# Altium PCB VM3300_V0.1.PcbDoc (continued)
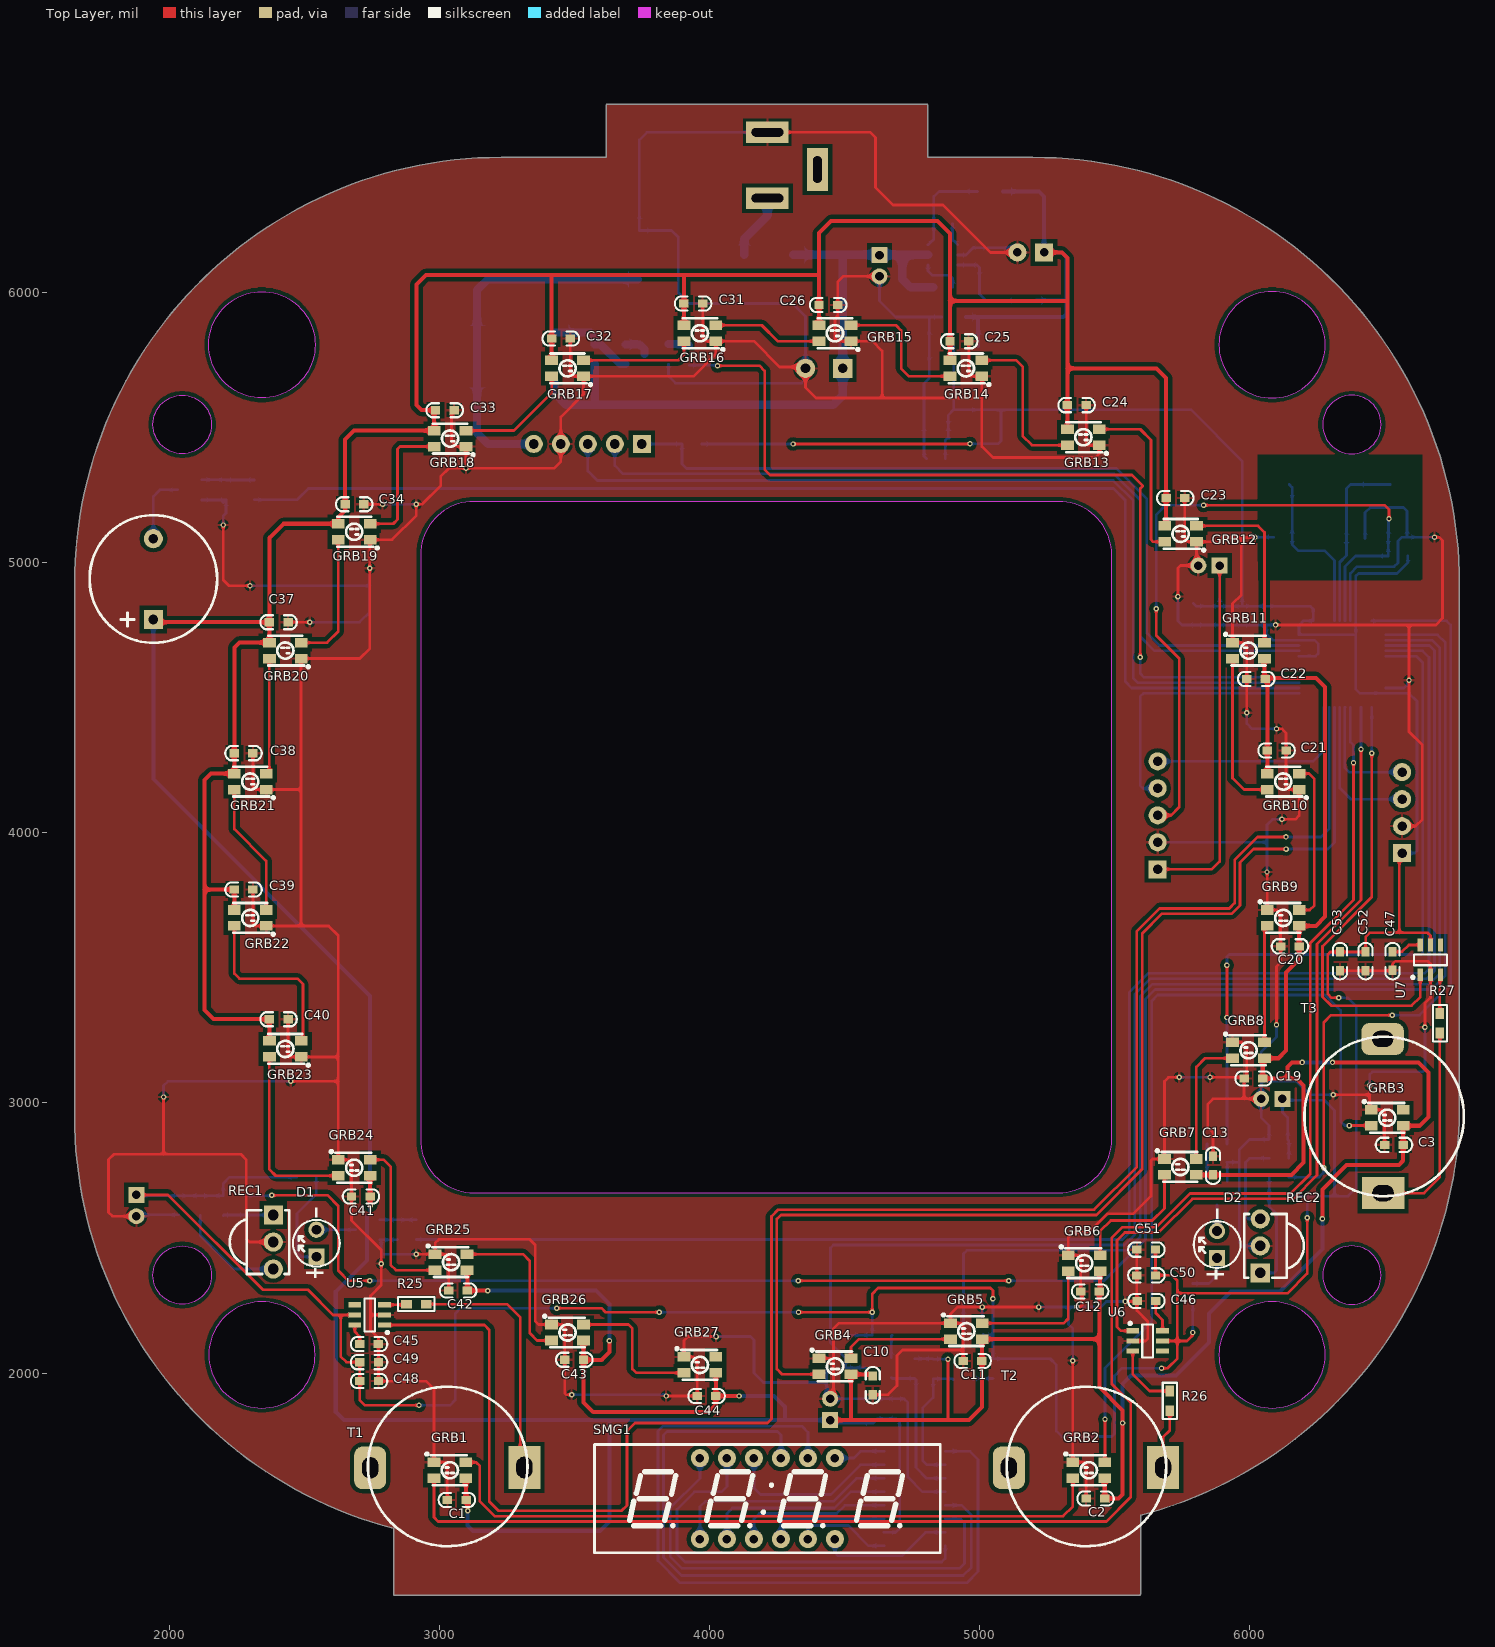
[diagram p0: Top Layer view]
## Footprints (in the part's own frame and the unit in brackets; to place one, negate y for a bottom-side part, rotate by r counter-clockwise, add the part's x,y. Pads: shape width x height; smd on the part's side, far side on the other; paste and mask are expansions set on the pad) (continued)
SWD_JOANLAB [mm] "接插件，5P"
  rect 1.7x1.7 hole 0.9: 1(10.16,0)
  round 1.7 hole 0.9: 2(7.62,0) 3(5.08,0) 4(2.54,0) 5(0,0)
  silkscreen extent -2.4,-3.45 12.6,2.49, body extent -2.5,-3.3 12.66,2.4, height 7.03
TH_Touch [mm]
  rect 4x3 hole 2 slot 1.5 at 90 deg: 1(-0.062,-13.535)
  rrect50% 4x3 hole 2 slot 1.5 at 90 deg: 2(-0.102,0.965)
  silkscreen extent -7.46,-13.82 7.54,1.17, body extent -7.53,-13.64 7.57,1.46, height 8
TK8021 [mm] "3x1.6x1.1mm(长宽高)"
  rect 0.5x1.2 smd: 1(-0.95,-1.4) 2(0,-1.4) 3(0.95,-1.4) 4(0.95,1.4) 5(0,1.4) 6(-0.95,1.4)
  silkscreen extent -1.78,-1.78 1.55,0.51, body extent -1.5,-1.4 1.5,1.4, height 1.15
TM1650 [mm]
  oval 1.745x0.56 smd: 1(-2.872,4.572) 2(-2.872,3.302) 3(-2.872,2.032) 4(-2.872,0.762) 5(-2.872,-0.508) 6(-2.872,-1.778) 7(-2.872,-3.048) 8(-2.872,-4.318) 9(2.872,-4.318) 10(2.872,-3.048) 11(2.872,-1.778) 12(2.872,-0.508) 13(2.872,0.762) 14(2.872,2.032) 15(2.872,3.302) 16(2.872,4.572)
  silkscreen extent -3.02,-4.95 1.77,5.45, body extent -3,-4.87 3,5.13, height 1.9
WS2812B-3528 [mm] "外观尺寸（L/W/H）:3.5*2.8*1.9mm"
  rect 1.2x0.9 smd: 1(-1.5,0.75) 2(-1.5,-0.75) 3(1.5,-0.75) 4(1.5,0.75)
  silkscreen extent -1.6,-1.65 2.29,1.4, body extent -1.75,-1.4 1.75,1.4, height 1.85
XH2.54-4P [mm] "接插件，4P"
  rect 1.7x1.7 hole 0.9: 1(0,0)
  round 1.7 hole 0.9: 2(2.54,0) 3(5.08,0) 4(7.62,0)
  silkscreen extent -2.49,-3.45 9.88,2.49, body extent -2.5,-3.3 10.12,2.4, height 7.03
XH2.54-5P [mm] "接插件，5P"
  rect 1.7x1.7 hole 0.9: 1(0,0)
  round 1.7 hole 0.9: 2(2.54,0) 3(5.08,0) 4(7.62,0) 5(10.16,0)
  silkscreen extent -2.4,-3.45 12.6,2.49, body extent -2.5,-3.3 12.66,2.4, height 7.03
"XTAL-49S SMD" [mm]
  rect 5x2 smd: 1(-4.75,0) 2(4.75,0)
  silkscreen extent -5.7,-2.4 5.7,2.4, body extent -6.7,-2.46 6.7,2.44, height 4

## Part data
B1: library part BEEP, "蜂鸣器", BOM名称=蜂, 学习资源=www.ooocke.
C1 C2 C3 C4 C5 C6 C7 C8 C9 C10 C11 C12 C13 C14 C15 C16 C17 C18 C19 C20 C21 C22 C23 C24 C25 C26 C27 C28 C29 C30 C31 C32 C33 C34 C35 C36 C37 C38 C39 C40 C41 C42 C43 C44 C45 C46 C47 C48 C49 C50 C51 C52 C53: library part C, "无极性贴片电容", BOM名称=无极性, 学习资源=www.ooocke.
CON1: library part P-DC, "低压电源接口", BOM名称=DCµçÔ, 学习资源=www.ooocke.
D1 D2: "红外发射管"
E1 E2 E3 E4 E5 E6 E7: library part C-CAP, "直插电解电容", BOM名称=Ö±²åµ, 学习资源=www.ooocke.
JP1 SWD1: library part "Header 5", "5P接插件", BOM名称=5P接, 学习资源=www.ooocke.
L1: library part L-CD, "贴片功率电感", BOM名称=¹¦Â, 学习资源=www.ooocke.
Q1 Q2: "N-MOS"
Q3 Q4 Q5 Q7: library part NPN
Q6: library part NCE_MOS, "NCE系类的MOS"
R1 R2 R3 R4 R5 R6 R7 R8 R9 R10 R11 R12 R13 R14 R15 R16 R17 R18 R19 R20 R21 R22 R23 R24 R25 R26 R27 R28 R29 R30 R31: library part R, "贴片电阻", BOM名称=ÌùÆ, 学习资源=www.ooocke.
REC1 REC2: "红外接收管"
SMG1: "0.28寸4位共阳数码管"
T1 T2 T3: "触摸弹簧，用于触摸感应"
U1: "STM32F030采用ARM Cortex内核，运算速度高达48 MHz。STM32F030是STM32系列中价格最低的产品，具有全套外设，例如高速12位ADC、先进且灵活的定时器、日历RTC和通"
U2: "DC-DC电源芯片  24-40V->5V"
U3: "转3.3V电压"
U4: "TM1650是一种带键盘扫描接口的LED（发光二极管显示器）驱动控制专用IC,内部集成有MCU / 数字接口、数据锁存器、LE"
U5 U6 U7: library part TTP2233, "单通道自校正触摸感应芯片"
UART: library part "Header 4", "4P接插件", BOM名称=4P接, 学习资源=www.ooocke.
VD1 VD2: "肖特基二极管"
Y1: library part XTAL-2, "2脚晶振", BOM名称=2脚, 学习资源=www.ooocke.

## Via types
v1: diameter 20, hole 10, Top Layer to Bottom Layer, tented both sides, 76 vias

## Nets (pads, with @x,y where several pads share a name; then routed paths per layer and width w, separated by ;. In a path a pad name is that pad's centre, name@x,y a point inside that pad or via, vN(x,y) a via of type N, cw(c..) or ccw(c..) an arc to the next point about the centre after c; other vN are vias at no path point)
3.3V: C5.2 C6.2 C7.2 C8.2 C16.2 C17.2 C35.1 C36.1 C48.2 C49.2 C50.2 C51.2 C52.2 C53.2 E2.1 E5.1 E6.1 R1.2 R5.2 R6.2 R7.2 R9.2 R11.2 R12.2 R13.1 R14.1 R17.2 R18.2 R30.2 SWD1.1 U1.1 U1.9 U1.24 U1.48 U3.2 U5.5 U6.5 U7.5 UART.1 | length 17849.2
  Top Layer w10: E5.1 1995.63,2659.37 2346.68,2308.32 2513.6,2308.32 2606.92,2215 2635,2215 ; U5.5 2635,2215 ; v1(2925,1880.38) 2724.62,1880.38 2706,1899 C48.2 C49.2 2656.5,2040 2635,2061.5 2635,2215 ; v1(3435,2240) 3600,2240 3615,2225 v1(3815,2225) ; v1(4310,5440) 4964.51,5440 v1(4965,5440.49) ; v1(4330,2225) v1(4603.5,2225) 4603.5,2293.5 4625,2315 5040.13,2315 5050,2305.13 v1(5050,2275) ; C51.2 C50.2 5713,2361.69 5733,2341.69 5733,2295 ; SWD1.1 5860,3865 5889.37,3894.37 E2.1 ; v1(5674.12,2017.73) 5697.27,2017.73 5733,2053.46 5733,2118.7 ; U6.5 5733,2118.7 ; v1(5790,2150) 5790,2140 5768.7,2118.7 5733,2118.7 ; v1(6213.67,2575) 6213.67,2368.1 6140.57,2295 5733,2295 ; v1(6330.88,3390) 6302.6,3390 6290,3402.6 6290,3550 6299,3559 C53.2 C52.2 6430,3615 6445,3630 6555,3630 ; UART.1 6555,3915 6555,3630 ; U7.5 6670,3620 6660,3630 6555,3630 ; 5733,2118.7 5733,2295
  Bottom Layer w10: E5.1 1881.5,2656.5 R17.2 R11.2 2200,2701.14 2223.86,2725 R13.1 ; v1(2925,1880.38) 3040.06,1880.38 3059.19,1899.5 3059.19,2220 3079.19,2240 v1(3435,2240) ; v1(3815,2225) v1(4330,2225) ; R30.2 v1(4310,5440) ; R9.2 R6.2 v1(4603.5,2225) ; C17.2 4874,5454 C16.2 ; C16.2@4888.5,5461.5 C16.2 ; U3.2@4905,5803.11 U3.2@4905,5566.89 ; v1(4965,5440.49) 5068.99,5440.49 5080,5451.5 5080,5566.89 ; R7.2 5016.41,2140 5050,2140 ; v1(5050,2275) 5050,2140 ; v1(5674.12,2017.73) 5528.03,2017.73 5500,1989.7 5500,1775 5500.3,1775 5490.3,1765 5305.3,1765 5285,1785.3 5285,2030 5262.27,2052.73 R5.2 5050,2140 ; v1(5790,2150) R14.1 ; C8.2@5792,4850 C8.2 C7.2 ; E2.1 5889.37,4840.37 C7.2 ; R12.2 6213.67,2655 ; R18.2 6145.79,2860.64 C36.1 6141.43,2945.9 6121.88,2965.45 E6.1 6126.88,3010 6277.31,3010 6315,2972.31 6315,2655 ; v1(6213.67,2575) 6213.67,2655 ; v1(6330.88,3390) 6363.32,3390 6395,3358.32 6395,2685 6365,2655 6315,2655 ; UART.1 6611.75,3925 6620,3933.25 6620,4487.37 6590.64,4516.73 U1.24 6409.69,4516.73 6393.21,4533.21 6393.21,4730 ; R1.2 6586.5,5001.5 6545.52,4960.52 6403.52,4960.52 6393.21,4950.2 U1.9 6393.21,4730 ; C16.2 4885,5546.89 U3.2@4905,5566.89 ; U3.2@4905,5566.89 5080,5566.89 ; 5080,5566.89 5782.61,5566.89 5973,5376.5 C6.2 ; C7.2 C6.2 ; C6.2 C5.2 6226,4839 6235.73,4829.27 U1.1 6200.35,4785.35 6183.64,4768.64 U1.48 6389.94,4733.27 6393.21,4730 ; 6213.67,2655 6315,2655
5V: B1.1 C1.2 C2.2 C3.2 C10.2 C11.2 C12.2 C13.2 C15.2 C19.2 C20.2 C21.2 C22.2 C23.2 C24.2 C25.2 C26.2 C29.2 C30.2 C31.2 C32.2 C33.2 C34.2 C37.2 C38.2 C39.2 C40.2 C41.2 C42.2 C43.2 C44.2 E3.1 E4.1 GRB1.1 GRB2.1 GRB3.1 GRB4.1 GRB5.1 GRB6.1 GRB7.1 GRB8.1 GRB9.1 GRB10.1 GRB11.1 GRB12.1 GRB13.1 GRB14.1 GRB15.1 GRB16.1 GRB17.1 GRB18.1 GRB19.1 GRB20.1 GRB21.1 GRB22.1 GRB23.1 GRB24.1 GRB25.1 GRB26.1 GRB27.1 L1.2 R2.2 R8.2 R10.2 U3.3 U4.10 | length 29099.9
  Top Layer w10: C10.2@4598.9,1995.1 C10.2 ; 4880,1825.63 4883.5,1829.13 v1(4883.5,2051.5) v1@4885,2050
  Top Layer w15: B1.1 1951.29,4780 C37.2 ; GRB22.1 2241,3714.59 C39.2 2130,3790 ; GRB23.1 2371,3229.59 C40.2 2164.53,3310 2130,3344.53 2130,3790 ; v1(2744,2620) C41.2 2744,2730.41 GRB24.1 ; GRB1.1 3099,1609.66 C1.2 3105,1524 v1(3105,1490) ; GRB25.1 3104,2379.56 C42.2 v1(3180,2305) ; GRB17.1 3416,5749.59 C32.2 3416,6061 3420,6065 ; GRB26.1@3534.53,2120 GRB26.1 3534,2120.41 C43.2 ; v1(3630,2120) 3630,2077.5 3601.5,2049 C43.2 ; GRB16.1 3906,5879.59 C31.2 3906,6064 3905,6065 ; GRB27.1 4024,2000.41 C44.2 ; v1(4110,1915) C44.2 ; 4405,6065 3905,6065 ; GRB15.1 4406,5879.59 C26.2 4406,6221 4450,6265 4845,6265 4890.94,6219.06 4890.94,5970 ; E4.1 4525,1825.63 ; C10.2@4598.9,1995.1 GRB4.1 4524.37,1826.26 4525,1825.63 ; GRB14.1 4890.94,5970 ; E3.1 5305.79,6149.21 5325.94,6129.06 5325.94,5975 ; GRB13.1 5325.94,5720 ; GRB6.1 5446.95,2305.13 C12.2 5444,2125.44 ; GRB2.1 5464.06,1535.06 C2.2 5515,1535 5530,1550 v1(5530,1815) 5530,1862.01 5444,1948.01 5444,2125.44 ; GRB12.1 5691,5141.77 C23.2 5691,5684 5655,5720 5325.94,5720 ; GRB7.1 C13.2 6155.1,2733.33 6200.49,2778.72 6200.49,3064.5 6175,3090 6140,3090 ; GRB11.1 C22.2@6055.4,4573.6 ; GRB10.1 6065.94,4304.48 C21.2 6066.47,4562.53 C22.2 C22.2@6055.4,4573.6 ; v1(6195.57,3150) 6157.56,3150 6140,3132.44 6140,3090 ; v1(6270,2571.43) 6270,2680 6360,2770 6553.05,2770 6569,2785.95 C3.2 6569,2915.41 GRB3.1 6628.9,2915.47 6662,2948.57 6662,3113 6625,3150 v1(6307.33,3150) ; 2130,3790 2130,4195 2154.53,4219.53 GRB21.1 2241,4219.59 C38.2 2241,4685.99 2259.54,4704.53 GRB20.1 2371,4704.59 C37.2 ; C37.2 2371,5092.72 2422.81,5144.53 GRB19.1 2625.95,5169.26 2651,5194.32 C34.2 2651,5456 2684.53,5489.53 GRB18.1 2980.95,5559.94 C33.2 2934.68,5565 2915,5584.69 2915,6030 2950,6065 3420,6065 ; 3420,6065 3905,6065 ; C43.2 3534,1891 3570,1855 3995,1855 4024,1884 C44.2 ; 4525,1825.63 4880,1825.63 4960.63,1825.63 5009,1874 C11.2 5009,2123.62 GRB5.1 5444,2125.44 ; 4890.94,5970 5320.94,5970 5325.94,5975 ; 5325.94,5720 5325.94,5975 ; C22.2@6055.4,4573.6 6246.65,4573.6 6280,4540.25 6280,3690 6245.47,3655.47 GRB9.1 6184,3655.41 C20.2 6184,3530.97 6135.47,3482.44 6135.47,3194.35 6106.59,3165.47 GRB8.1 6049,3159.07 C19.2 6140,3090
  Bottom Layer w10: E4.1 4457.53,1815 C29.2 4622.9,1831 C30.2 4705,1817.9 4705,1425 4690,1410 U4.10 ; R10.2 4827,2053 R8.2 v1(4883.5,2051.5)
  Bottom Layer w15: B1.1 1941.32,4198.68 2744,3396 v1(2744,2620) 2744,2592.5 2732.4,2580.9 2732.4,2417.4 2616.68,2301.68 2616.68,1856.06 2647.12,1825.63 4280,1825.63 ; v1(3105,1490) 3105,1435 3125,1415 3595,1415 3630,1450 3630,1825 ; v1(3180,2305) 3580,2305 3630,2255 v1(3630,2120) ; v1(4110,1915) 4240,1915 4280,1875 4280,1825.63 ; E4.1 4280,1825.63 ; C15.2 5000,5910 ; U3.3 4995.55,5905.55 5000,5910 ; L1.2 5220,6375 5239.21,6355.79 E3.1 5305.79,6149.21 5321.89,6133.11 5321.89,5970 ; R2.2 5320.52,5971.36 5321.89,5970 ; v1(5530,1815) 5530,1958.88 5561.11,1990 5727.27,1990 5850,2112.73 5850,2220.51 5931.66,2302.17 6112.17,2302.17 6270,2460 v1(6270,2571.43) ; v1(6195.57,3150) v1(6307.33,3150) ; 5000,5910 5310.41,5910 5321.89,5921.48 5321.89,5970
12V: E1.1 E7.1 Q6.3 R3.1 R28.2 U2.5 VD1.2 | length 2547.4
  Bottom Layer w31.5: Q6.3 3426.13,5628.87 3470,5585 3570,5585 ; R28.2 3575,5590 3570,5585 ; VD1.2 4500,6140.82 ; E1.1 4628.55,6140.82 4500,6140.82 ; E1.1@4630,6149.21 4630,6140.82 4715,6140.82 ; U2.5 4809.05,6140.82 4715,6140.82 ; R3.1 4745,6020 4715,6050 4715,6140.82 ; 3570,5585 4458.9,5585 4493.9,5620 E7.1 4493.9,6134.72 4500,6140.82
Beep: R19.1 U1.38 | length 4585.2
  Bottom Layer w10: R19.1 2473.5,5233.5 2515,5275 5496.72,5275 5540,5231.72 5540,4560 5563.58,4536.42 U1.38
CW: JP1.3 U1.39 | length 3443.7
  Bottom Layer w10: JP1.3 3550,5340 3585,5305 5495,5305 5570,5230 5570,4572.2 5586.1,4556.1 U1.39
D1: R20.1 U1.16 | length 6010.7
  Bottom Layer w10: R20.1 5529.08,2494.08 5555,2520 5555,3410 5625,3480 6648.43,3480 6665,3496.57 6665,4645 6665,4650 6640.79,4674.21 U1.16
D2: R21.1 U1.17 | length 2650.4
  Top Layer w10: v1(5916.5,3316.5) v1@5917.4,3317.4 ; v1(5916.5,3510) 5916.5,3318.3 v1@5917.4,3317.4 ; v1@5920,3320 v1@5917.4,3317.4
  Bottom Layer w10: R21.1 v1(5916.5,3316.5) ; v1(5916.5,3510) 5916.5,3541.5 5925,3550 6635,3550 6641.9,3556.9 6641.9,4630 6617.37,4654.53 U1.17
ETX_12V: CON1.1 VD1.1 | length 244.6
  Bottom Layer w31.5: VD1.1 4129.45,6199.45 4215,6285 CON1.1
FG: JP1.1 R30.1 U1.46 | length 3076.6
  Bottom Layer w10: JP1.1 R30.1 3898.5,5366.5 3915.49,5349.51 5507.06,5349.51 5620,5236.57 5620,4740 5666.1,4693.9 U1.46
GND: C1.1 C2.1 C3.1 C5.1 C6.1 C7.1 C8.1 C9.1 C10.1 C11.1 C12.1 C13.1 C14.1 C15.1 C16.1 C17.1 C18.1 C19.1 C20.1 C21.1 C22.1 C23.1 C24.1 C25.1 C26.1 C27.1 C28.1 C29.1 C30.1 C31.1 C32.1 C33.1 C34.1 C35.2 C36.2 C37.1 C38.1 C39.1 C40.1 C41.1 C42.1 C43.1 C44.1 C45.2 C46.2 C47.2 C48.1 C49.1 C50.1 C51.1 C52.1 C53.1 CON1.2 E1.2 E2.2 E3.2 E4.2 E5.2 E6.2 E7.2 GRB1.3 GRB2.3 GRB3.3 GRB4.3 GRB5.3 GRB6.3 GRB7.3 GRB8.3 GRB9.3 GRB10.3 GRB11.3 GRB12.3 GRB13.3 GRB14.3 GRB15.3 GRB16.3 GRB17.3 GRB18.3 GRB19.3 GRB20.3 GRB21.3 GRB22.3 GRB23.3 GRB24.3 GRB25.3 GRB26.3 GRB27.3 JP1.4 Q3.2 Q4.2 Q5.2 Q7.2 R4.1 R22.1 R23.1 R24.1 REC1.2 REC2.2 SWD1.2 U1.8 U1.23 U1.44 U1.47 U2.2 U3.1 U4.4 U5.2 U6.2 U7.2 UART.2 VD2.1 | length 38547.5
  Top Layer w10: E5.2 1789.37,2580.63 1775,2595 1775,2790 1794.63,2809.63 1979.12,2809.63 ; v1(1979.12,3022.13) 1979.12,2809.63 ; v1(2200,5140.05) 2200,4936 2221,4915 v1(2299.25,4915) ; C39.1 2310,3665 2319.53,3655.47 GRB22.3 2488.11,3655.47 ; C38.1 2310,4170.47 2320,4160.47 GRB21.3 2488.11,4160.47 ; REC1.2 2297.49,2485 2285,2497.49 2285,2790 2265,2810 2025.37,2810 2025,2809.63 1979.12,2809.63 ; C40.1 2440,3175.47 2445,3170.47 GRB23.3 2625.95,3170.47 ; C37.1 v1(2520.37,4780) ; v1(2450,3080) 2625.95,3080 ; 2488.11,3654.53 2488.11,3655.47 ; C34.1 v1(2790,5216.8) ; U5.2 2745,2215 ; v1(2915,2440) GRB25.3 ; C1.1 3030,1665 3025.47,1669.53 GRB1.3 2980.08,1939.92 2950,1970 C48.1 C49.1 2775,2130 2745,2160 2745,2215 ; C42.1 3035,2428.36 3023.39,2439.97 GRB25.3 ; C33.1 3045,5555 3045,5451.03 3065.56,5430.47 GRB18.3 v1(3099.05,5350) ; C32.1 3485,5700 3494.53,5690.47 GRB17.3 ; v1(3490,1920) 3470,1920 3465,1925 C43.1 3465,2170 3455.47,2179.53 GRB26.3 3367.48,2179.53 3355,2192.01 3355,2475 3335,2495 2998.6,2495 2984.53,2480.93 GRB25.3 ; v1(3840,1915) C44.1 3955,2045 3940.47,2059.53 GRB27.3 3906,2059.59 3906,2120.47 3920.53,2135 v1(4025,2135) ; C31.1 3975,5835 3989.53,5820.47 GRB16.3 ; CON1.2 4595.91,6594.09 4615,6575 4615,6390 4680,6325 4865,6325 5040.79,6149.21 E3.2 ; GRB4.3 4459.16,2054.16 4460,2055 ; E4.2 4460,1917.47 4460,2055 ; C10.1 4661.8,1920 4695,1953.2 4695,2065 4715,2085 4940,2085 ; E1.2 4495.63,6060.63 4475,6040 C26.1 4475,5915.12 4465,5905.12 4465,5830 4474.53,5820.47 GRB15.3 4604.53,5820.47 4640,5785 4640,5610 ; C11.1 4940,2085 ; C25.1 4960,5700 4969.44,5690.56 GRB14.3 5009.06,5612.17 ; v1(5220,2244.11) v1(5010,2244.11) 4919.11,2244.11 4892.71,2217.71 GRB5.3 ; v1@5345.94,2048.15 v1(5345.94,2045.94) GRB2.3 5385.47,1669.53 5395,1660 C2.1 ; v1(5360,2245) 5375,2245 5380,2250 5380,2297.18 C12.1 5375,2427.1 5365.8,2436.3 GRB6.3 5328.84,2502.52 5346.32,2520 5403.64,2520 5473.64,2590 5570,2590 5635,2655 5635,2785.95 5641.46,2792.41 GRB7.3 5684.95,3079.95 5700,3095 v1(5740,3095) ; C24.1 5395,5440.49 5400.02,5435.47 GRB13.3 5444.06,5404.73 5429.32,5390 5050,5390 5009.06,5430.94 5009.06,5612.17 ; v1(5540,2265.14) 5581.13,2265.14 C46.2@5583,2267.01 ; U6.2 5615,2118.7 5623,2126.69 5623,2191.69 5583,2231.69 C46.2@5583,2267.01 ; C51.1 C50.1 C46.2@5583,2267.01 ; C46.2 C46.2@5583,2267.01 ; v1(5735,4875) 5735,4980 5745,4990 E2.2 5804.06,4996.57 GRB12.3 ; C23.1 5760,5090 5772.34,5077.66 GRB12.3 ; v1(5853.9,3095) 5975,3095 C19.1 ; C13.1 5865,2890 5845,2910 5845,2995 5865,3015 5980,3015 ; GRB8.3 5970.47,3224.53 5990,3205 5990,3100 C19.1 ; v1(5990,4445) C22.1 5990,4690 5975.47,4704.53 GRB11.3 5937.29,4848.76 5970,4881.48 5970,5094 ; v1(6020.18,5094) 5970,5094 ; E6.2 5980,3015 ; v1(6065,3855) 6065.94,3854.05 GRB9.3 6100.47,3714.53 6115,3700 C20.1 6115,3519.53 6100,3504.53 v1(6100,3290) ; v1(6096.5,4770) 6590.64,4770 ; v1(6100,4385) 6120.47,4385 6135.47,4370 C21.1 6135.47,4169.53 6144.53,4160.47 GRB10.3 6184.06,4064.05 6170,4050 v1(6120,4050) ; v1(6310,3030) 6445,3030 ; C53.1 C52.1 6529,3490 C47.2 6530,3515 6540,3525 6660,3525 6670,3515 U7.2 6670,3390 6649.53,3369.53 v1(6649.53,3280) ; v1(6445,3065) 6445,3030 ; C3.1 6500,2965 6490.47,2974.53 GRB3.3 6445,2980.47 6445,3030 ; UART.2 6615,4025 6640,4050 6640,4325 6590.64,4374.36 v1(6590.64,4565) 6590.64,4770 ; v1(6685,5095) 6702.4,5095 6715,5082.4 6715,4795 6690,4770 6590.64,4770 ; 2488.11,3655.47 2590.53,3655.47 2625.95,3620.05 2625.95,3170.47 ; 2488.11,3655.47 2488.11,4160.47 ; 2488.11,4160.47 2488.11,4644.52 GRB20.3 2705.47,4645.47 2742.85,4682.85 v1(2742.85,4980) 2742.85,5084.26 GRB19.3 2825.47,5085.47 2915,5175 v1(2915,5216.8) 2936.8,5216.8 3005,5285 3005,5320 3035,5350 v1(3099.05,5350) ; 2625.95,3080 2625.95,3170.47 ; 2625.95,3080 GRB24.3 2664.72,2789.53 2675,2779.25 C41.1 2675,2565 2785,2455 v1(2785,2405) 2785,2325.9 2745,2285.9 2745,2215 ; v1(3099.05,5350) 3425,5350 3450,5375 JP1.4 3450,5540 3534.05,5624.06 GRB17.3 ; GRB17.3 3940.47,5690.47 4024.05,5774.06 GRB16.3 ; GRB16.3 4164.53,5820.47 4260,5725 4351.1,5725 E7.2 4356.1,5648.9 4395,5610 4640,5610 ; 4460,2055 4460,2164.53 4479.97,2184.5 GRB5.3 ; 4640,5610 5006.89,5610 5009.06,5612.17 ; GRB5.3 4930.87,2184.5 4940,2175.37 4940,2085 ; GRB12.3 5882.66,5077.66 5899,5094 5970,5094 ; 5980,3015 C19.1
  Bottom Layer w10: E5.2 1884,2586 C35.2 ; v1(1979.12,3022.13) 1979.12,3064.12 1995,3080 v1(2450,3080) ; Q3.2 R22.1@2209.1,5232.6 ; v1(2200,5140.05) 2200,5173.94 2210,5183.94 R22.1 R22.1@2209.1,5232.6 ; R22.1@2200,5223.5 R22.1@2209.1,5232.6 ; v1(2299.25,4915) 2742.85,4915 ; v1(2520.37,4780) 2705,4780 2742.85,4817.85 2742.85,4915 ; v1(2742.85,4980) 2742.85,4915 ; v1(2785,2405) 2785,2446.59 ; v1(2790,5216.8) v1(2915,5216.8) ; R23.1 2844.1,2493.17 Q4.2 2785,2488.17 2785,2446.59 ; v1(2915,2440) 2791.59,2440 2785,2446.59 ; v1(3490,1920) 3835,1920 v1(3840,1915) ; Q7.2 3848.52,5691.48 3875,5665 4341.73,5665 4356.1,5679.37 E7.2 4356.1,5912.61 4308.71,5960 3925,5960 3885,6000 3885,6205.55 3860,6230.55 3740.9,6230.55 3740.9,6565.9 3769.09,6594.09 CON1.2 ; v1(4025,2135) 4152.56,2135 4165,2122.56 4165,2000 4200,1965 4435,1965 ; C28.1 4435,1965 ; E1.2 4630,5970 4690,5910 4820,5910 ; C17.1 4795,5395 C16.1 4795,5664.03 4814.45,5683.48 U3.1 4814.45,5904.45 4820,5910 ; C15.1 4820,5910 ; U4.4 4790,1560 4735,1615 4735,1890 4720.63,1904.37 E4.2 4435,1916.27 4435,1965 ; U2.2 4950,6140 4976.5,6166.5 R4.1 5123.5,6166.5 E3.2 ; C27.1 v1(5010,2244.11) ; v1(5220,2244.11) 5330,2244.11 ; v1(5345.94,2045.94) 5345.94,2164.05 5330,2180 5330,2244.11 ; v1(5540,2265.14) 5469.9,2265.14 5449.75,2245 v1(5360,2245) 5359.11,2244.11 5330,2244.11 ; 5700,3965 6065,3965 ; v1(5735,4875) 5735,4785 5750,4770 C8.1 C7.1 C6.1 6060.48,4770 6061.74,4771.26 6061.74,4738.26 6086.42,4713.58 U1.47 6241.18,4713.58 6255,4699.77 6255,4665 6244.53,4654.53 U1.44 ; v1(5740,3095) v1(5853.9,3095) ; Q5.2 5917.4,2779.1 R24.1 5959.89,2780 5962.5,2777.39 ; v1(5990,4445) 5990,4405 6010,4385 v1(6100,4385) ; v1(6020.18,5094) 6021.18,5095 C14.1 ; REC2.2 5974.42,2470.58 5962.5,2482.5 5962.5,2777.39 ; C5.1 v1(6096.5,4770) ; v1(6065,3855) 6065,3965 ; v1(6100,3290) 6100,3244.76 6043.14,3187.9 6043.14,3080 ; v1(6120,4050) 6085,4050 6065,4030 6065,3965 ; v1(6310,3030) 6225,3030 6175,3080 6043.14,3080 ; U1.8 6373.52,4960.52 6398.63,4985.63 6535.63,4985.63 6550,5000 6550,5080 6565,5095 C9.1 ; C18.1 6428,5185.74 6447.26,5205 6570,5205 6583.5,5191.5 C9.1 ; v1(6445,3065) 6445,3105 6455,3115 6640,3115 6649.53,3124.53 v1(6649.53,3280) ; U1.23 6571.42,4536.42 6590.64,4555.64 v1(6590.64,4565) ; v1(6685,5095) C9.1 ; 5962.5,2777.39 5962.5,2827.15 6000.35,2865 C36.2 6072.43,2916.61 6043.14,2945.9 E6.2 6043.14,3080
GRID1: SMG1.12 U4.6 | length 1754
  Bottom Layer w10: SMG1.12 3965,1610 3855,1500 3855,1320 3898.1,1276.9 4926.9,1276.9 4945,1295 4945,1445 4930,1460 U4.6
GRID2: SMG1.9 U4.5 | length 2470.6
  Bottom Layer w10: SMG1.9 4265,1770 4251.87,1783.13 3843.13,1783.13 3830,1770 3830,1316.72 3896.72,1250 4940,1250 4970,1280 4970,1475 4935,1510 U4.5
GRID3: SMG1.8 U4.1 | length 2932.6
  Bottom Layer w10: SMG1.8 4365,1780.3 4342.17,1803.13 3828.13,1803.13 3810,1785 3810,1305 3891.57,1223.43 4953.43,1223.43 4995,1265 4995,1680 4965,1710 U4.1
GRID4: SMG1.6 U4.7 | length 499
  Bottom Layer w10: SMG1.6 4465,1335 4476.9,1323.1 4713.1,1323.1 4800,1410 U4.7
IR1: R15.2 U1.13 | length 7172.4
  Top Layer w10: v1(2380,2657.73) 2587.27,2657.73 2625.95,2619.05 2625.95,2379.05 2663.71,2341.29 v1(2742.85,2341.29) ; v1(4328.71,2341.29) 5108.73,2341.29 v1(5109.13,2341.69)
  Bottom Layer w10: R15.2 2378.77,2656.5 v1(2380,2657.73) ; v1(2742.85,2341.29) v1(4328.71,2341.29) ; v1(5109.13,2341.69) 5461.54,2341.69 5615,2495.15 5615,3385.15 5649.85,3420 6673.28,3420 6725,3471.72 6725,4670 6725,4705 6696.73,4733.27 U1.13
IR2: R16.2 U1.12 | length 2850
  Top Layer w10: v1(6275,2759.82) 6275,3297.54 6302.46,3325 v1(6529,3325)
  Bottom Layer w10: R16.2 6258.19,2725 6275,2741.81 v1(6275,2759.82) ; U1.12 6452.62,4785 6730,4785 6745,4770 6745,3440 6630,3325 v1(6529,3325)
MO: R31.1 U1.40 | length 3373.8
  Top Layer w10: v1(4030,5730) 4185,5730 4205,5710 4205,5345 4225,5325 5565,5325 5605,5285 5595.47,5275.47 v1(5595.47,4650)
  Bottom Layer w10: R31.1 4030.98,5730.98 v1(4030,5730) ; v1(5595.47,4650) 5595.47,4589.53 5609.21,4575.79 U1.40
MOT: JP1.5 Q6.2 VD2.2 | length 1367.9
  Bottom Layer w30: JP1.5 3180,5440 3140,5480 Q6.2 3140,6010 3179.45,6049.45 VD2.2
NetB1_2: B1.2 Q3.3 | length 256.3
  Bottom Layer w10: B1.2 1941.32,5246.32 1965,5270 Q3.3
NetC4_1: C4.1 U2.1 | length 85.9
  Bottom Layer w10: C4.1 4900,6197.52 U2.1
NetC4_2: C4.2 L1.1 U2.6 | length 357
  Bottom Layer w10: U2.6 4831,6198.52 C4.2 4831,6356 4850,6375 L1.1
NetC45_1: C45.1 U5.6 | length 78.1
  Top Layer w10: U5.6 2687.3,2152.7 2705,2135 C45.1
NetC46_1: C46.1 U6.6 | length 121.3
  Top Layer w10: C46.1 5653,2221.69 5678.11,2196.57 U6.6
NetC47_1: C47.1 U7.6 | length 113
  Top Layer w10: C47.1 6565,3560 6590.12,3585.12 U7.6
NetD1_1: D1.1 R13.2 | length 386.1
  Bottom Layer w10: R13.2 2543.96,2661.33 2473.51,2590.88 2473.51,2445.93 2488.87,2430.58 D1.1
NetD1_2: D1.2 Q4.3 | length 145.7
  Bottom Layer w10: D1.2 Q4.3
NetD2_1: D2.1 R14.2 | length 166.2
  Bottom Layer w10: R14.2 5849.52,2331.5 5880,2361.98 D2.1
NetD2_2: D2.2 Q5.3 | length 96.3
  Bottom Layer w10: D2.2 Q5.3
NetQ1_1: Q1.1 R5.1 | length 74.2
  Bottom Layer w10: Q1.1 4981.19,1979.73 R5.1
NetQ2_1: Q2.1 R6.1 | length 83.6
  Bottom Layer w10: Q2.1 4674.06,2137.56 R6.1
NetQ3_1: Q3.1 R19.2 R22.2 | length 195.4
  Bottom Layer w10: Q3.1 2209.1,5307.4 R22.2 R19.2
NetQ4_1: Q4.1 R20.2 R23.2 | length 135.4
  Bottom Layer w10: Q4.1 2780.9,2567.08 R23.2 R20.2
NetQ5_1: Q5.1 R21.2 R24.2 | length 137.4
  Bottom Layer w10: Q5.1 5842.6,2847.23 R21.2
NetQ6_1: Q6.1 R28.1 R29.2 | length 329.6
  Bottom Layer w30: Q6.1 3560.45,5852.03 3575,5837.48 R28.1 3597.02,5808.98 3670.02,5735.98 R29.2
NetQ7_1: Q7.1 R31.2 | length 78.9
  Bottom Layer w30: Q7.1 3919.1,5809.88 R31.2
NetQ7_3: Q7.3 R29.1 | length 95
  Bottom Layer w30: R29.1 3740.9,5808.98 3759.22,5790.65 Q7.3
NetR2_1: R2.1 R4.2 U2.3 | length 330.4
  Bottom Layer w10: U2.3 4990.9,6102.6 R4.2 5000,5995 5023.64,5971.36 R2.1
NetR3_2: R3.2 U2.4 | length 158.6
  Bottom Layer w10: U2.4 4809.88,6080.12 4825,6065 4890,6065 4901.5,6053.5 R3.2
NetR11_1: R11.1 R15.1 REC1.1 | length 186.2
  Bottom Layer w10: R11.1 2201.5,2585 REC1.1
NetR12_1: R12.1 R16.1 REC2.1 | length 420.2
  Bottom Layer w10: REC2.1 6090.58,2370.58 6100,2380 6100,2590 6072.79,2617.21 R12.1 R16.1
NetR17_1: R17.1 REC1.3 | length 395.8
  Bottom Layer w10: R17.1 2115,2510 2240,2385 REC1.3
NetR18_1: R18.1 REC2.3 | length 352.9
  Bottom Layer w10: REC2.3 5994.42,2570.58 5985,2580 5985,2780 5999.98,2794.98 R18.1
NetR25_1: R25.1 T1.1 | length 930.3
  Top Layer w10: R25.1 3250,2255 3300,2205 3300,1665.1 T1.1
NetR25_2: R25.2 U5.3 | length 82
  Top Layer w10: U5.3 2875.9,2252.4 R25.2
NetR26_1: R26.1 T2.1 | length 220.5
  Top Layer w10: T2.1 5680,1763.05 5705,1788.05 R26.1
NetR26_2: R26.2 U6.3 | length 249
  Top Layer w10: U6.3 5567.88,1995.04 5629.72,1933.2 R26.2
NetR27_1: R27.1 T3.1 | length 768.3
  Top Layer w10: T3.1 6646.14,2666.14 6705,2725 R27.1
NetR27_2: R27.2 U7.3 | length 144.4
  Top Layer w10: R27.2 6705,3472.48 U7.3
NRST: C9.2 R1.1 SWD1.3 U1.7 | length 2644.8
  Top Layer w10: v1(5655,4830) 5655,4730 5740,4645 5740,4095 5710,4065 SWD1.3 ; v1(5830,5213.42) 6500.21,5213.42 6516.66,5196.97 v1(6516.66,5163.34)
  Bottom Layer w10: v1(5655,4830) 5655,5178.42 5690,5213.42 v1(5830,5213.42) ; U1.7 6353.84,4985.63 6393.21,5025 R1.1 6513.5,5094 C9.2 6514.5,5163.34 v1(6516.66,5163.34)
O1: GRB1.2 GRB2.4 | length 2526
  Top Layer w10: GRB1.2 3135.47,1669.53 3150,1655 3150,1525 3205,1470 5310,1470 5345.94,1505.94 GRB2.4
O2: GRB2.2 GRB3.4 | length 3043.9
  Top Layer w10: GRB2.2 5465,1670.48 v1(5465,1829.13) ; v1(6369.21,2916.26) 6450.16,2916.26 GRB3.4
  Bottom Layer w10: v1(5465,1829.13) 5465,2017.73 5638,2190.73 5638,3378 5660,3400 6279.74,3400 6337.44,3342.3 6337.44,2931.56 6352.74,2916.26 v1(6369.21,2916.26)
O3: GRB4.2 GRB5.4 | length 422.5
  Top Layer w10: GRB4.2 4524.37,2096.22 4553.59,2125.44 GRB5.4
O4: GRB5.2 GRB6.4 | length 501.2
  Top Layer w10: GRB5.2 5312.49,2184.5 5328.84,2200.86 GRB6.4
O5: GRB6.2 GRB7.4 | length 485.4
  Top Layer w10: GRB6.2 5446.95,2525.28 5486.67,2565 5640,2565 5684.95,2609.95 GRB7.4
O6: GRB7.2 GRB8.4 | length 488.3
  Top Layer w10: GRB7.2 5803.06,3133.06 5835.47,3165.47 GRB8.4
O7: GRB8.2 GRB9.4 | length 435.3
  Top Layer w10: GRB8.2 6055.4,3644.92 GRB9.4
O8: GRB9.2 GRB10.4 | length 595.4
  Top Layer w10: GRB9.2 6222.81,3714.53 6240,3731.72 6240,4200 6220.47,4219.53 GRB10.4
O9: GRB10.2 GRB11.4 | length 588.9
  Top Layer w10: GRB11.4 5937.29,4202.71 5979.53,4160.47 GRB10.2
O10: GRB11.2 GRB12.4 | length 669.7
  Top Layer w10: GRB12.4 6031.71,5136.72 6055.4,5113.03 GRB11.2
O11: GRB12.2 GRB13.4 | length 630.7
  Top Layer w10: GRB13.4 5595.47,5494.53 5635,5455 5635,5085.95 5643.29,5077.66 GRB12.2
O12: GRB13.2 GRB14.4 | length 597.2
  Top Layer w10: GRB14.4 5136.77,5749.61 5160,5726.39 5160,5470 5194.53,5435.47 GRB13.2
O13: GRB14.2 GRB15.4 | length 527.2
  Top Layer w10: GRB15.4 4690.47,5879.53 4710,5860 4710,5720 4739.44,5690.56 GRB14.2
O14: GRB15.2 GRB16.4 | length 406.4
  Top Layer w10: GRB16.4 4193.99,5879.53 4253.05,5820.47 GRB15.2
O15: GRB16.2 GRB17.4 | length 430.5
  Top Layer w10: GRB17.4 3884.91,5749.53 3905.95,5770.56 GRB16.2
O16: GRB17.2 GRB18.4 | length 436.1
  Top Layer w10: GRB18.4 3276.38,5489.53 3415.95,5629.1 GRB17.2
O17: GRB18.2 GRB19.4 | length 508
  Top Layer w10: GRB19.4 2829.53,5144.53 2845,5160 2845,5420.65 2854.82,5430.47 GRB18.2
O18: GRB19.2 GRB20.4 | length 493.6
  Top Layer w10: GRB20.4 2584.53,4704.53 2625.95,4745.94 GRB19.2
O19: GRB20.2 GRB21.4 | length 430.9
  Top Layer w10: GRB21.4 2370.95,4231.42 GRB20.2
O20: GRB21.2 GRB22.4 | length 494.9
  Top Layer w10: GRB21.2 2240.95,4014.05 2359.05,3895.95 GRB22.4
O21: GRB22.2 GRB23.4 | length 659.6
  Top Layer w10: GRB22.2 2240.95,3479.05 2260,3460 2475,3460 2495,3440 2495,3235.47 GRB23.4
O22: GRB23.2 GRB24.4 | length 681.2
  Top Layer w10: GRB23.2 2370.95,2754.05 2394.53,2730.47 GRB24.4
O23: GRB24.2 GRB25.4 | length 623.1
  Top Layer w10: GRB24.2 2794.72,2789.53 2820,2764.25 2820,2400 2839.09,2380.91 GRB25.4
O24: GRB25.2 GRB26.4 | length 602.2
  Top Layer w10: GRB25.2 3310.03,2439.97 3335,2415 3335,2147.7 3362.23,2120.47 GRB26.4
O25: GRB26.2 GRB27.4 | length 533.9
  Top Layer w10: GRB26.2 3700.47,2179.53 3715,2165 3715,2015 3729.53,2000.47 GRB27.4
OSC_IN: C14.2 U1.5 Y1.2 | length 631
  Bottom Layer w10: Y1.2 6157.93,5279.22 C14.2 6157.93,5067.07 6180,5045 6277.33,5045 6314.47,5007.87 U1.5
OSC_OUT: C18.2 U1.6 Y1.1 | length 668.3
  Bottom Layer w10: U1.6 6334.15,5002.02 6359,5026.87 C18.2 6359,5275 6374,5290 Y1.1
OUT1: U1.33 U5.1 | length 6860.7
  Top Layer w10: U5.1 3167.4,2177.6 3185,2160 3185,1525 3220,1490 3675,1490 3695,1510 3695,1785 3725,1815 4215,1815 4230,1830 4230,2580 4255,2605 5425,2605 5583,2763 5583,3636.28 5666.72,3720 5925,3720 5945,3740 5945,3900 6030,3985 v1(6135,3985) v1@6140,3985
  Bottom Layer w10: v1(6135,3985) 6265.1,3985 6295,4014.9 6295,4464.43 U1.33
OUT2: U1.27 U6.1 | length 3024.9
  Top Layer w10: U6.1 5523.9,2156.1 5509.68,2170.32 5509.68,2491.39 5538.28,2520 5663.28,2520 5788.28,2645 6162.29,2645 6250,2732.71 6250,3588.28 6412.89,3751.18 v1(6412.89,4310)
  Bottom Layer w10: v1(6412.89,4310) U1.27
OUT3: U1.25 U7.1 | length 1619.7
  Top Layer w10: v1(6452.62,4295) 6452.62,3762.62 6270,3580 6270,3392.63 6302.63,3360 6600,3360 6632.6,3392.6 U7.1
  Bottom Layer w10: U1.25 6452.62,4464.29 v1(6452.62,4295)
PWM: JP1.2 U1.45 | length 3193.5
  Bottom Layer w10: JP1.2 3650,5360.02 3680.51,5329.51 5498.77,5329.51 5595.47,5232.81 5595.47,4727.8 5649.06,4674.21 U1.45
RGB: GRB1.4 U1.29 | length 6389.1
  Top Layer w10: GRB1.4 2980.08,1465.92 2996,1450 5470,1450 5560,1540 5560,1890 5489.68,1960.32 5489.68,2499.68 5530,2540 5655,2540 5780,2665 6152.35,2665 6225,2737.65 6225,3591.57 6385,3751.57 v1(6385,4260)
  Bottom Layer w10: U1.29 6373.52,4336.48 6385,4325 v1(6385,4260)
RGB1: GRB4.4 U1.32 | length 4466.5
  Top Layer w10: GRB4.4 4269.9,1995.1 4250,2015 4250,2570 4265,2585 5433.28,2585 5603,2754.71 5603,3628 5675,3700 5933.28,3700 5965,3731.72 5965,3890 6015,3940 v1(6135.47,3940)
  Bottom Layer w10: v1(6135.47,3940) 6290,3940 6315,3965 6315,4464.11 U1.32
RX: U1.31 UART.3 | length 546.6
  Bottom Layer w10: U1.31 6334.15,4165.85 6375,4125 UART.3
S_SCL: Q1.2 R8.1 U4.2 | length 483.2
  Bottom Layer w10: U4.2 4806.18,1660 4790,1676.18 4790,1870 4828.5,1908.5 R8.1 4900.04,1978.5 Q1.2
S_SDA: Q2.2 R10.1 U4.3 | length 543.8
  Bottom Layer w10: Q2.2 4676.65,1980 R10.1 4765,1975 4765,1650 4805,1610 U4.3
SCL: C27.2 Q1.3 R7.1 U1.14 | length 4500.9
  Bottom Layer w10: Q1.3 4940.9,2074.96 R7.1 4941,2142.61 C27.2 4941,2441.58 4953.5,2454.08 5545.64,2454.08 5595,2503.43 5595,3393.43 5641.57,3440 6665,3440 6705,3480 6705,4670 6705,4685 6676.42,4713.58 U1.14
SDA: C28.2 Q2.3 R9.1 U1.15 | length 5097.3
  Bottom Layer w10: Q2.3@4575,2019.06 Q2.3 C28.2 4504,2056 4448.5,2111.5 R9.1 4448.5,2463.5 4459.08,2474.08 5537.36,2474.08 5575,2511.72 5575,3401.72 5633.28,3460 6656.72,3460 6685,3488.28 6685,4660 6685,4675 6666.1,4693.9 U1.15
SEG1: SMG1.11 U4.8 | length 1548.1
  Bottom Layer w10: SMG1.11 4065,1580 4045,1560 3945,1560 3880,1495 3880,1330 3910,1300 4801.18,1300 4860,1300 4873.09,1313.09 U4.8
SEG2: SMG1.7 U4.16 | length 192.3
  Bottom Layer w10: SMG1.7 4535,1685 4560,1710 U4.16
SEG3: SMG1.4 U4.11 | length 448.1
  Bottom Layer w10: SMG1.4 4265,1445 4280,1460 U4.11
SEG4: SMG1.2 U4.13 | length 710
  Bottom Layer w10: SMG1.2 4065,1480 4085,1500 4463.28,1500 4523.28,1560 U4.13
SEG5: SMG1.1 U4.14 | length 845.4
  Bottom Layer w10: SMG1.1 3965,1505 3985,1525 4460,1525 4545,1610 U4.14
SEG6: SMG1.10 U4.15 | length 647.8
  Bottom Layer w10: SMG1.10 4165,1575 4190,1550 4450,1550 4560,1660 U4.15
SEG7: SMG1.5 U4.9 | length 357.1
  Bottom Layer w10: SMG1.5 4365,1425 4375,1435 4515,1435 4590,1360 U4.9
SEG8: SMG1.3 U4.12 | length 577.6
  Bottom Layer w10: SMG1.3 4165,1460 4185,1480 4471.57,1480 4501.57,1510 U4.12
SWCLK: SWD1.4 U1.37 | length 992.6
  Bottom Layer w10: SWD1.4 5605,4165 5595,4175 5595,4505 5606.73,4516.73 U1.37
SWDIO: SWD1.5 U1.34 | length 791.5
  Bottom Layer w10: SWD1.5 6235.41,4265 6275.1,4304.68 U1.34
TX: U1.30 UART.4 | length 442.6
  Bottom Layer w10: U1.30 6353,4463.81 6353,4241 6369,4225 UART.4
pads on no net: CON1.3 GRB3.2 GRB27.2 T1.2 T2.2 T3.2 U1.2 U1.3 U1.4 U1.10 U1.11 U1.18 U1.19 U1.20 U1.21 U1.22 U1.26 U1.28 U1.35 U1.36 U1.41 U1.42 U1.43 U5.4 U6.4 U7.4

## Polygon pours and split planes (outlines as drawn)
GND on Top Layer "Top Layer-No Net" (solid, remove dead copper, pour order 0): 2830.55,1424.33 cw(c3229.26,2953.01) 1649.45,2953.01 1649.45,4921.51 cw(c3229.26,4921.51) 3229.26,6501.33 cw(c3229.26,6496.31) 3229.3,6501.33 3617.95,6501.33 3617.95,6693.16 cw(c3622.96,6693.16) 3622.96,6698.18 4804.07,6698.18 cw(c4804.07,6693.16) 4809.08,6693.16 4809.08,6501.33 5197.77,6501.33 cw(c5197.77,4921.51) 6777.59,4921.51 6777.59,2935 cw(c6772.57,2935) 6777.58,2934.78 cw(c5199.23,3002.94) 5596.48,1473.88 5596.48,1181.35 cw(c5591.47,1181.35) 5591.47,1176.34 2835.56,1176.34 cw(c2835.56,1181.35) 2830.55,1181.35
GND on Bottom Layer "Top Layer-No Net1" (solid, remove dead copper, pour order 1): 2830.55,1424.33 cw(c3229.26,2953.01) 1649.45,2953.01 1649.45,4921.51 cw(c3229.26,4921.51) 3229.26,6501.33 cw(c3229.26,6496.31) 3229.3,6501.33 3617.95,6501.33 3617.95,6693.16 cw(c3622.96,6693.16) 3622.96,6698.18 4804.07,6698.18 cw(c4804.07,6693.16) 4809.08,6693.16 4809.08,6501.33 5197.77,6501.33 cw(c5197.77,4921.51) 6777.59,4921.51 6777.59,2935 cw(c6772.57,2935) 6777.58,2934.78 cw(c5199.23,3002.94) 5596.48,1473.88 5596.48,1181.35 cw(c5591.47,1181.35) 5591.47,1176.34 2835.56,1176.34 cw(c2835.56,1181.35) 2830.55,1181.35

## Other copper
Top Layer:
  pour cut-out: 6030,5400 6640,5400 6640,4940 6635,4935 6031.71,4935
Bottom Layer:
  pour cut-out: 6676.42,4930
  pour cut-out: 6640,5400 6640,4950 6650,4940 6645,4935 6032.65,4935 6032.65,5397.35 6030,5400

## Silkscreen, mask and mechanical layers (free items; w line width, h text height)
Bottom Overlay:
  drawing of 2014 lines, arcs and shapes, not listed
  text "V" at 3325,5249.38 h60
  text "G" at 3420,5249.38 h60
  text "C" at 3525,5249.38 h60
  text "P" at 3630,5249.38 h60
  text "F" at 3720,5249.38 h60
  text "D" at 5859.33,4275 h60 r90
  text "T" at 6369.38,4246.46 h60 r270
  text "C" at 5860,4185 h60 r90
  text "R" at 6369.38,4120 h60 r270
  text "RST" at 5860,4105 h60 r90
  text "G" at 6370,4008 h60 r270
  text "G" at 5860,3975 h60 r90
  text "V" at 6369.38,3940 h60 r270
  text "V" at 5859.33,3845.91 h60 r90
  text "240131" at 2567,3705 h200
  text "VM3300_V0.1" at 2840,3455 h200
Mechanical 1:
  circle w10: c6083.59,2067.18 r196.85
  circle w10: c6378.87,5512.06 r108.27
  circle w10: c6083.59,5807.34 r196.85
  circle w10: c6378.87,2362.45 r108.27
  circle w10: c2048.16,2362.45 r108.27
  circle w10: c2048.16,5512.06 r108.27
  circle w10: c2343.44,5807.34 r196.85
  circle w10: c2343.44,2067.18 r196.85
  lines w10: 5591.47,1478.15 5591.47,1181.35 2835.56,1181.35 2835.56,1428.21 cw(c3229.26,2953.01) 1654.46,2953.01 1654.46,4921.51 cw(c3229.26,4921.51) 3229.26,6496.31 3622.96,6496.31 3622.96,6693.16 4804.07,6693.16 4804.07,6496.31 5197.77,6496.31 cw(c5197.77,4921.51) 6772.57,4921.51 6772.57,2935 cw(c5199.23,3002.94) 5592.93,1478.15 ; 2933.99,2854.58 ccw(c3130.84,2854.58) 3130.84,2657.73 5296.19,2657.73 ccw(c5296.19,2854.58) 5493.04,2854.58 5493.04,5019.94 ccw(c5296.19,5019.94) 5296.19,5216.79 3130.84,5216.79 ccw(c3130.84,5019.94) 2933.99,5019.94 2933.99,2854.58